# Allegro board RK3588_Template_LP4XD200P232SD8_41R0X41R0_2133MHz_H1R6_V10_20211229.brd (continued)
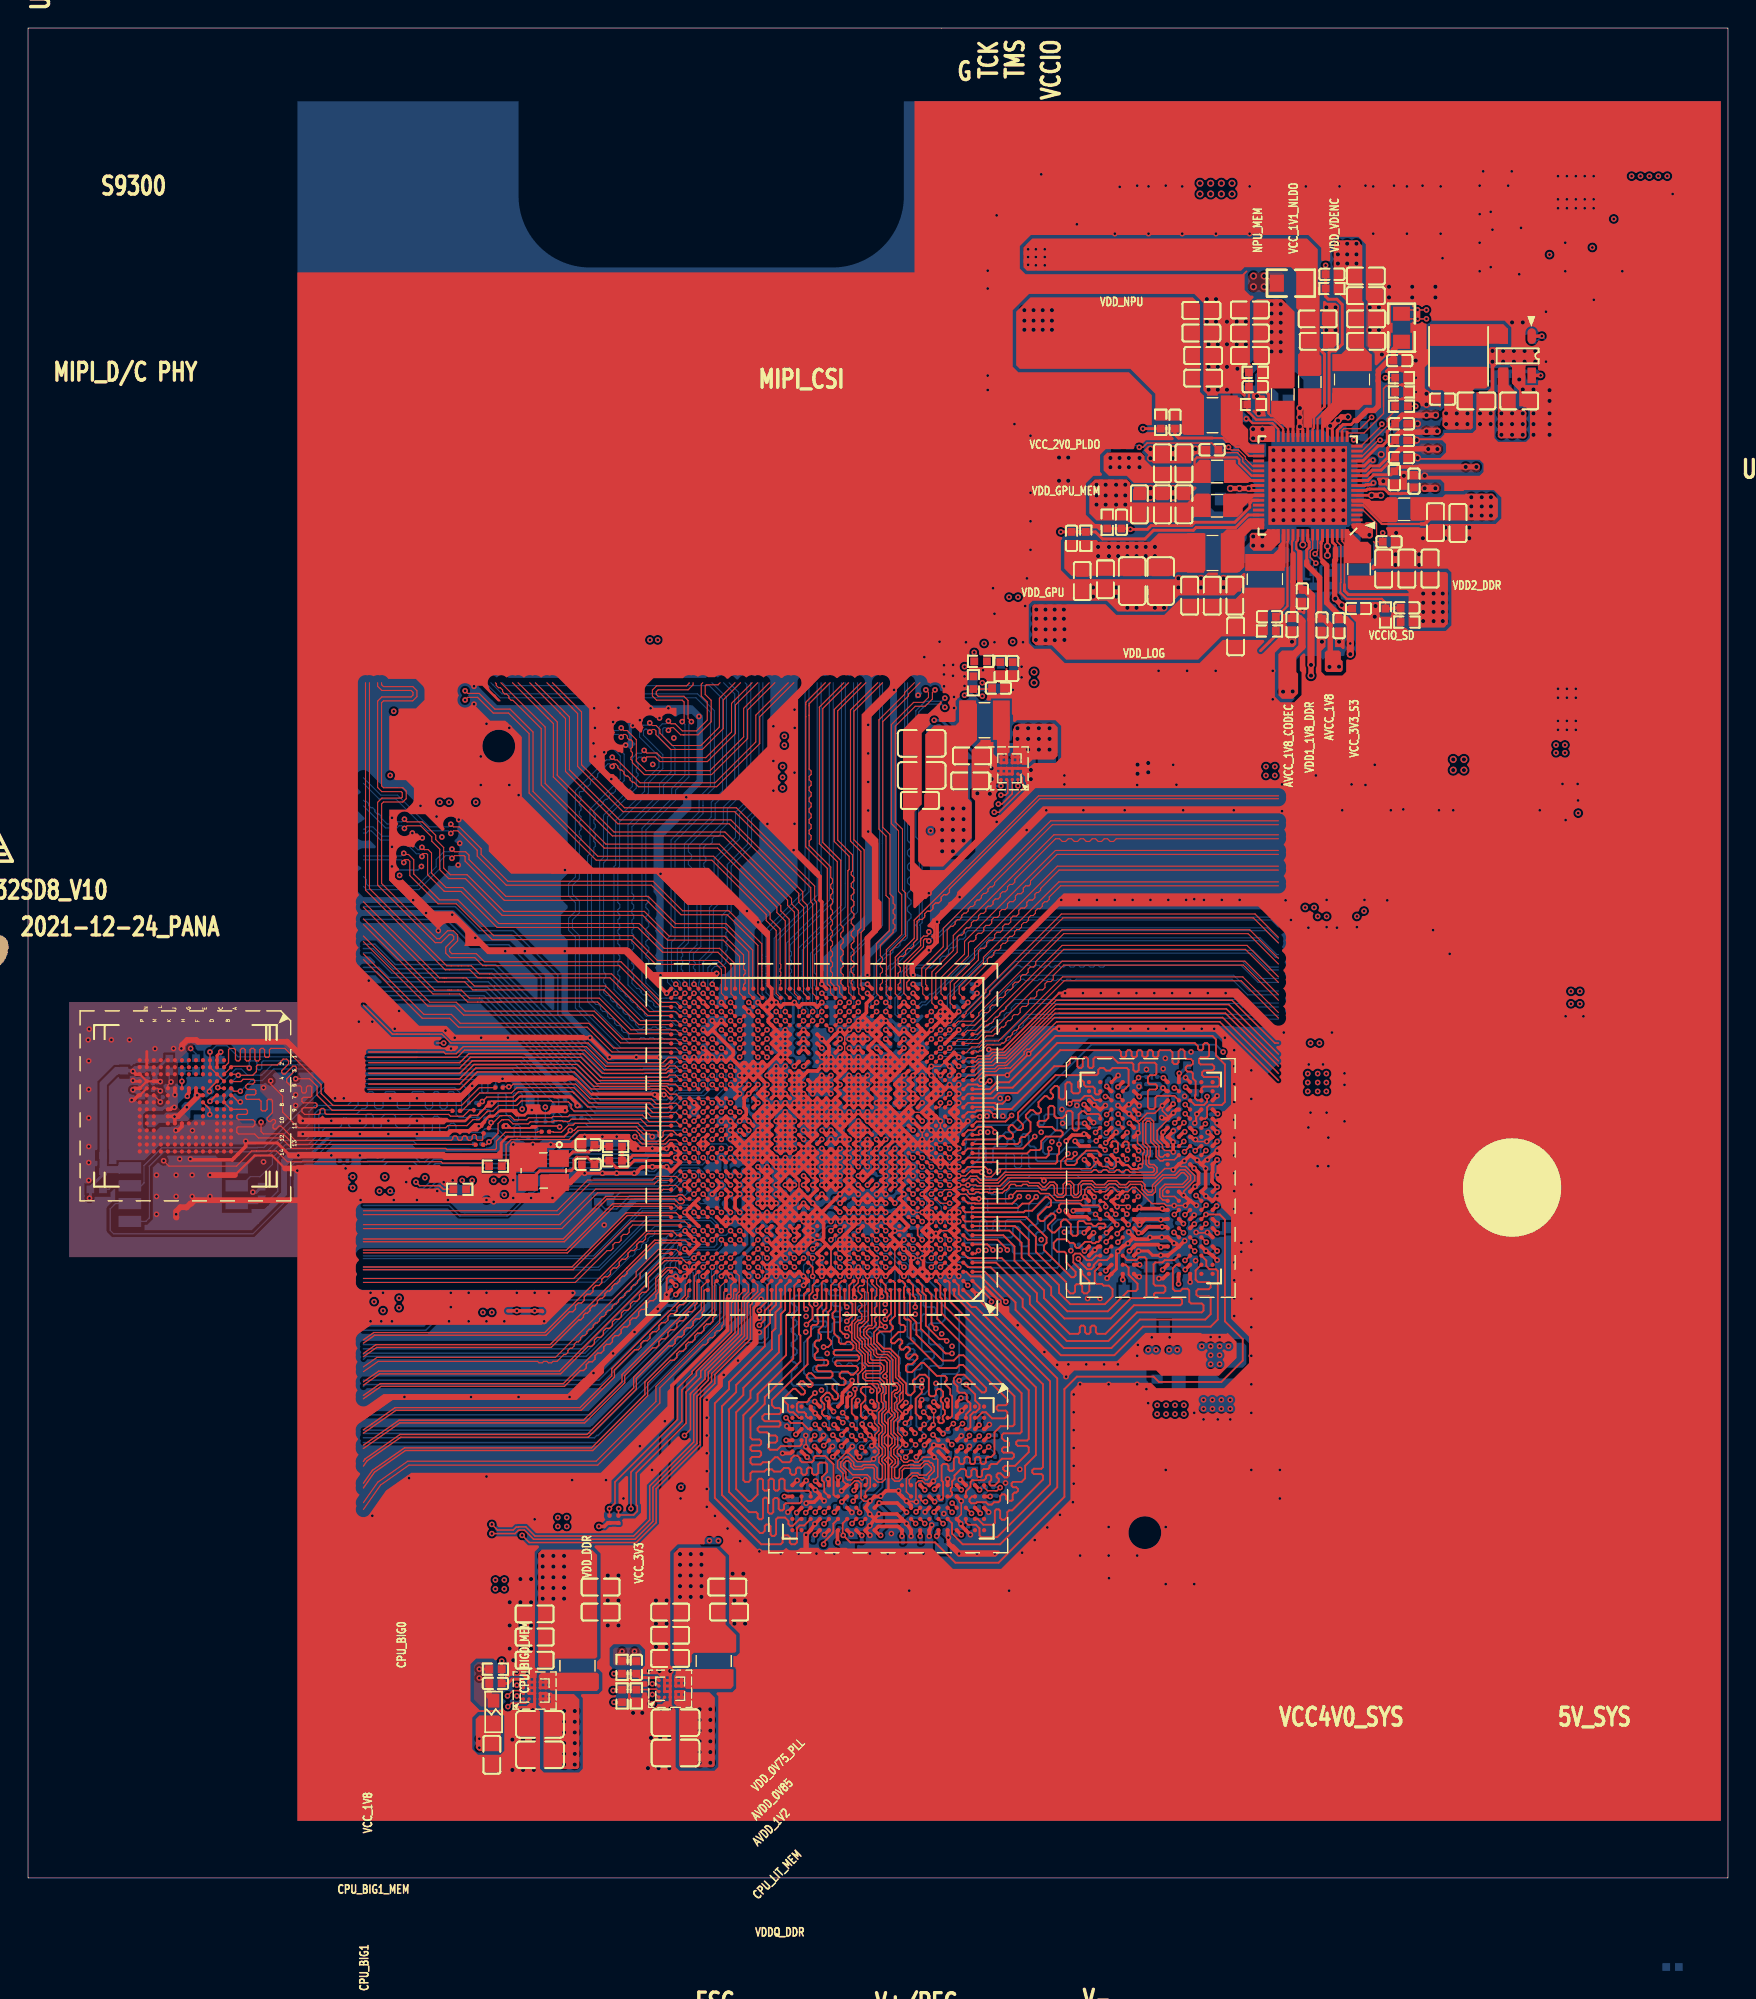
[diagram p0: board, top side]
## Routing (per net, layer and track width the routed paths; a pad name or vN(x,y) marks a point on that pad's centre or on a via; arc(x,y) is an arc through that point) (continued)
I2C1_SDA_M2: length 4
  TOP w0.104: v1(68.8,75.87) 69.14,75.87 70.85,77.59 70.85,77.9 70.78,77.97 70.78,78.32 70.51,78.59 U2303.B1
I2C1_SDA_M2_TP: length 29.3
  TOP w0.089: U1000.V28 v1(49.37,52.58)
  L6-S2 w0.089: 44.99,51.36 45.6,51.36 46.18,50.78 47.37,50.78 47.76,51.16 47.76,51.41 47.97,51.62 48.59,51.62 48.84,51.62 49.02,51.8 49.02,51.82 49.04,51.83 49.04,52.09 49.37,52.41 v1(49.37,52.58)
  L6-S2 w0.104: 44.99,51.36 44.15,51.36 44.15,51.36 43.09,51.36 42.86,51.58 38.21,51.58 37.75,51.12 30.4,51.12 30.33,51.05 30.32,51.05 28.87,49.6 28.87,49.59 28.51,49.24 28.51,49.24 28.19,48.92 26.57,48.92 25.96,49.53 25.02,49.53 23.88,50.67
I2C2_SCL_M0: length 29.6
  TOP w0.089: v1(50.02,51.93) U1000.T28
  BOTTOM w0.089: 42.93,50.93 44.07,50.93 44.2,51.05 44.96,51.05 45.05,51.14 45.76,51.14 45.95,50.95 47.55,50.95 47.74,51.14 47.74,52.06 47.93,52.25 49.69,52.25 v1(50.02,51.93)
  BOTTOM w0.104: 23.88,49.33 23.95,49.4 26.41,49.4 26.74,49.08 26.74,49.08 26.74,49.08 28.13,49.08 28.83,49.78 28.83,50.05 29.02,50.24 29.03,50.24 29.33,50.54 38.09,50.54 38.48,50.93 42.93,50.93 ; v1(23.11,49.15) 22.99,49.28 R1114.2
I2C2_SDA_M0: length 25.6
  TOP w0.089: U1000.T31 v1(47.41,51.93)
  BOTTOM w0.089: 44.22,51.36 44.88,51.36 45.13,51.6 47.09,51.6 v1(47.41,51.93)
  BOTTOM w0.104: 23.88,49.91 24,49.91 24.5,50.41 26.62,50.41 26.97,50.06 27.82,50.06 27.87,50.1 28.13,50.36 28.51,50.36 28.99,50.85 37.89,50.85 38.28,51.23 44.1,51.23 44.22,51.36 ; v1(23.11,49.91) R1113.2
I2C3_SCL_M0_MIPI: length 30.7
  TOP w0.089: U1000.G27 v1(50.02,46.08)
  BOTTOM w0.089: 44.99,43.12 44.99,43.14 45.29,43.44 45.29,43.59 46.44,44.74 46.44,44.91 46.63,45.1 46.9,45.1 47.09,44.91 47.2,44.91 47.2,44.91 48.85,44.91 49.04,45.1 49.04,45.56 49.23,45.75 49.69,45.75 v1(50.02,46.08)
  BOTTOM w0.104: 23.88,37.67 39.52,37.67 44.86,43.01 44.87,43.01 44.88,43.01 44.88,43.01 44.99,43.12
I2C3_SDA_M0_MIPI: length 28.6
  TOP w0.089: U1000.G29 v1(48.72,45.43)
  BOTTOM w0.089: 44.99,43.56 46.25,44.82 46.25,44.99 46.55,45.29 46.98,45.29 47.16,45.11 47.27,45.11 47.28,45.1 48.39,45.1 v1(48.71,45.43)
  BOTTOM w0.104: 44.99,43.56 44.74,43.31 44.73,43.31 39.39,37.97 23.88,37.97
I2C4_SCL_M3_MIPI: length 37.9
  TOP w0.089: 50.08,39.9 50.08,40.93 50.15,41.01 50.15,41.18 50.24,41.27 50.24,41.75 U1000.A27
  TOP w0.104: R1903.2 41.4,25.78 v1(41.4,26.29) 41.79,26.68 41.79,28.19 46.24,32.64 46.24,34.79 46.24,34.86 47.28,35.9 47.28,36.05 50.08,38.85 50.08,39.9
  L6-S2 w0.104: 23.88,27.23 32,27.23 32.67,26.57 35.31,26.57 35.52,26.78 40.91,26.78 v1(41.4,26.29)
I2C4_SDA_M3_MIPI: length 39.8
  TOP w0.089: 50.57,40.91 50.57,41.06 50.62,41.11 50.62,41.44 50.99,41.81 U1000.A26
  TOP w0.104: 50.57,40.91 50.57,38.76 47.89,36.09 47.89,35.65 46.85,34.61 46.85,34.53 46.85,32.38 43.31,28.83 43.31,26.55 43.38,26.48 43.38,26.1 43.11,25.83 42.09,25.83 R1904.2 42.04,26.28 v1(42.05,26.29)
  L6-S2 w0.104: v1(42.05,26.29) 42.04,26.29 41.25,27.08 35.39,27.08 35.18,26.87 32.8,26.87 32.13,27.54 23.88,27.54
I2C5_SCL_M0_MIPI: length 26
  TOP w0.089: U1000.AJ24 v1(52.61,60.38)
  L3-POWER1 w0.089: v1(52.62,60.38) 52.47,60.52 52.47,62.59 51.94,63.12 51.94,63.86
  L3-POWER1 w0.104: 51.94,63.86 51.94,67.37 50.67,68.63 50.67,85.09
I2C5_SDA_M0_MIPI: length 26.8
  TOP w0.089: U1000.AH24 v1(52.62,59.73)
  L3-POWER1 w0.089: 51.63,63.86 51.63,63.1 52.27,62.46 52.27,62.2 52.27,61.55 52.27,60.9 52.27,60.25 52.27,60.07 v1(52.62,59.73)
  L3-POWER1 w0.104: 51.63,63.86 51.63,67.24 50.29,68.58 50.29,85.09
I2C6_SCL_M0: length 25.2
  TOP w0.089: U1000.W31 v1(47.41,53.23)
  BOTTOM w0.089: v1(47.41,53.23) 47.09,52.9 45.28,52.9
  BOTTOM w0.104: 45.28,52.9 44.7,52.32 43.18,52.32 42.71,51.85 37.75,51.85 37.37,51.47 31.04,51.47 31.04,51.46 28.74,51.46 28.26,50.98 27.88,50.98 27.57,51.29 25.46,51.29 25.2,51.02 24.19,51.02 24.14,50.98 23.88,50.98
I2C6_SDA_M0: length 25.1
  TOP w0.089: U1000.V31 v1(47.41,52.58)
  BOTTOM w0.089: 44.96,51.79 44.96,51.88 45.33,52.25 47.09,52.25 v1(47.41,52.58)
  BOTTOM w0.104: 23.88,50.67 24.27,50.67 24.31,50.72 25.33,50.72 25.59,50.98 27.44,50.98 27.75,50.67 28.38,50.67 28.87,51.16 37.69,51.16 38.08,51.54 43.92,51.54 43.98,51.6 44.76,51.6 44.96,51.79
I2C7_SCL_M0_CODEC: length 31
  TOP w0.089: U1000.F26 v1(50.67,45.43)
  L6-S2 w0.089: 44.99,42.24 45.03,42.24 45.96,43.17 47.54,43.17 47.76,43.38 47.76,43.61 47.97,43.82 48.9,43.82 49.06,43.98 49.06,44.26 49.24,44.44 49.52,44.44 49.72,44.64 49.88,44.64 v1(50.67,45.43)
  L6-S2 w0.104: 23.88,37.16 39.66,37.16 44.74,42.24 44.99,42.24
I2C7_SDA_M0_CODEC: length 30.2
  TOP w0.089: U1000.F27 v1(50.02,45.43)
  L6-S2 w0.089: 44.99,42.58 46.2,43.79 47.51,43.79 47.76,44.03 47.76,44.26 47.94,44.44 48.97,44.44 49.16,44.63 49.44,44.63 49.64,44.83 49.66,44.83 50.02,45.19 v1(50.02,45.43)
  L6-S2 w0.104: 44.99,42.58 44.96,42.55 44.61,42.55 39.53,37.47 23.88,37.47
I2S0_LRCK_TX: length 30.7
  TOP w0.089: U1000.D30 v1(48.06,43.48)
  BOTTOM w0.089: v1(48.06,43.48) 48.06,43.29 47.74,42.96 47.74,42.69 47.75,42.68 47.75,42.67 48.06,42.36 48.06,41.04
  BOTTOM w0.104: 48.06,41.04 48.06,41.02 40.01,32.97 23.88,32.97
I2S0_MCLK: length 28.1
  TOP w0.089: U1000.F30 v1(48.06,45.43)
  BOTTOM w0.089: v1(48.06,45.43) 47.74,45.75 46.92,45.75 46.91,45.74 46.51,45.74 46.49,45.73 46.21,45.73 44.99,44.5
  BOTTOM w0.104: 23.88,38.99 28.32,38.99 28.83,39.5 28.83,40.39 29.59,41.15 41.63,41.15 44.99,44.5
I2S0_SCLK_TX: length 30.3
  TOP w0.089: U1000.E31 v1(47.41,44.13)
  BOTTOM w0.089: v1(47.41,44.13) 47.23,44.13 47.1,44.01 46.67,44.01 46.36,43.69 46.36,43.31 46.51,43.15 46.94,43.15 47.12,42.98 47.12,41.38 46.78,41.04
  BOTTOM w0.104: 23.88,35.42 23.89,35.43 40.64,35.43 45.59,40.39 46.13,40.39 46.78,41.04
I2S0_SDI0: length 33.1
  TOP w0.089: U1000.D28 v1(49.37,43.48)
  BOTTOM w0.089: 49.31,41.04 49.31,42.13 49.04,42.4 49.04,42.96 49.37,43.29 v1(49.37,43.48)
  BOTTOM w0.104: 23.88,31.34 40.33,31.34 40.49,31.5 40.59,31.5 49.31,40.22 49.31,40.32 49.31,41.04
I2S0_SDO0: length 30.9
  TOP w0.089: U1000.E29 v1(48.71,44.13)
  BOTTOM w0.089: 47.21,41.04 47.36,41.18 47.36,43.08 47.09,43.34 47.09,43.66 47.23,43.8 48.39,43.8 v1(48.71,44.13)
  BOTTOM w0.104: 47.21,41.04 46.18,40.01 45.65,40.01 40.77,35.13 24.02,35.13 23.88,34.98
I2S2_LRCK_TX_M1_BT: length 30.9
  TOP w0.089: U1000.AE29 v1(48.72,57.78)
  BOTTOM w0.089: 45.02,55.08 45.54,55.08 46.34,55.88 47.93,55.88 48.39,56.34 48.39,56.61 48.58,56.8 48.85,56.8 49.04,56.99 U1000.AE29 v1(48.72,57.78)
  BOTTOM w0.104: 45.02,55.08 40.61,55.08 32.57,63.12 24.98,63.12 24.85,62.99 23.88,62.99
I2S2_SCLK_TX_M1_BT: length 29.6
  TOP w0.089: U1000.AD29 49.04,56.8 v1(48.72,57.13)
  BOTTOM w0.089: 44.99,55.39 45.47,55.39 46.15,56.07 47.47,56.07 47.74,56.34 47.74,56.61 47.93,56.8 48.21,56.8 48.53,57.13 v1(48.72,57.13)
  BOTTOM w0.104: 23.88,63.3 24.72,63.3 24.85,63.43 32.7,63.43 40.74,55.39 44.99,55.39
I2S2_SDI_M1_BT: length 32
  TOP w0.089: U1000.AE28 v1(49.37,57.78)
  BOTTOM w0.089: v1(49.37,57.78) 49.69,57.45 49.69,56.34 48.85,55.5 46.63,55.5 45.58,54.45 44.91,54.45
  BOTTOM w0.104: 23.88,62.36 23.9,62.38 25.1,62.38 25.23,62.51 32.32,62.51 40.37,54.45 44.91,54.45
I2S2_SDO_M1_BT: length 30
  TOP w0.089: U1000.AC28 v1(49.37,56.48)
  BOTTOM w0.089: 44.91,54.78 45.5,54.78 46.42,55.69 48.12,55.69 48.58,56.15 49.04,56.15 v1(49.37,56.48)
  BOTTOM w0.104: 23.88,62.68 24.97,62.68 25.1,62.81 32.45,62.81 40.48,54.78 44.91,54.78
LCD_BL_PWM2: length 35
  TOP w0.089: v1(48.06,51.28) 48.39,50.95 U1000.R30
  L3-POWER1 w0.089: 44.99,54.71 46.46,53.24 46.46,53.1 46.64,52.92 46.89,52.92 46.98,52.83 46.99,52.83 47.11,52.72 47.11,52.45 47.29,52.27 47.51,52.27 47.75,52.03 47.75,51.59 v1(48.06,51.28)
  L3-POWER1 w0.104: v1(26.45,71.37) 29.2,71.37 34.6,65.97 34.6,65.73 35.32,65.01 36.18,65.01 41.9,59.29 41.9,57.67 44.82,54.75 44.95,54.75 44.99,54.71
  L6-S2 w0.104: v1(26.45,71.37) 25.53,71.37 24.38,72.52 23.88,72.52
LCD_PWREN_H: length 28.1
  TOP w0.089: U1000.E30 v1(48.07,44.13)
  BOTTOM w0.089: v1(48.06,44.13) 47.74,44.45 47.28,44.45 47.02,44.2 46.48,44.2 46.1,43.82 46.1,43.54 45.38,42.82 45.38,42.81 45.22,42.65 45.22,42.6 44.99,42.37
  BOTTOM w0.104: 44.99,42.37 39.88,37.26 39.74,37.13 39.55,37.13 39.55,37.13 24.08,37.13 23.88,36.92
LCD_RESET_L: length 37.7
  TOP w0.089: v1(48.06,55.18) 47.74,55.5 U1000.AB31
  L3-POWER1 w0.089: v1(48.06,55.18) 47.85,55.18 47.48,55.55 46.3,55.55 44.99,56.86
  L3-POWER1 w0.104: v1(31.88,76.58) 31.88,70.93 43.69,59.12 43.69,58.17 44.99,56.86
  L6-S2 w0.104: v1(31.88,76.58) 30.73,76.58 30.04,77.28 23.88,77.28
MAC0_TXCLK: length 23.3
  TOP w0.089: 27.69,58.42 30.57,58.42 31.07,58.93 39.62,58.93 41.02,57.53 45.39,57.53 45.67,57.81 46.09,57.81 U1000.AE33
  TOP w0.104: 27.69,58.42 24.2,58.42
MAC0_TXD0: length 23.3
  TOP w0.089: 38.29,58.42 39.37,58.42 40.8,56.99 45.5,56.99 45.67,57.16 46.09,57.16 U1000.AD33
  TOP w0.104: 38.29,58.42 31.5,58.42 30.73,57.66 24.26,57.66
MAC0_TXD1: length 22.5
  TOP w0.089: U1000.AD34 45.76,56.77 40.64,56.77 39.24,58.17 37.77,58.17
  TOP w0.104: 24.26,57.28 30.73,57.28 31.62,58.17 37.77,58.17
MAC0_TXD2: length 23.3
  TOP w0.089: U1000.AC33 46.09,56.51 45.59,56.51 45.55,56.55 40.48,56.55 39.12,57.91 37.51,57.91
  TOP w0.104: 37.51,57.91 31.75,57.91 30.73,56.9 24.26,56.9
MAC0_TXD3: length 22.6
  TOP w0.089: U1000.AC34 45.67,56.15 45.47,56.35 40.29,56.35 38.99,57.66 37.62,57.66
  TOP w0.104: 37.62,57.66 31.88,57.66 30.73,56.52 24.26,56.52
MAC0_TXEN: length 22.5
  TOP w0.089: 38.61,58.67 38.62,58.67 39.33,58.67 39.33,58.67 39.5,58.67 40.89,57.28 45.41,57.28 45.58,57.45 U1000.AE34
  TOP w0.104: 24.26,58.04 30.73,58.04 31.37,58.67 38.61,58.67
MIPI_CAM1_CLKOUT: length 33
  TOP w0.089: U1000.E26 50.99,44.45 v1(51.32,44.13)
  L6-S2 w0.089: v1(51.32,44.13) 51.13,44.13 50.62,43.62 50.62,42.7 48.97,41.04
  L6-S2 w0.104: 23.88,33.02 40.95,33.02 48.97,41.04
MIPI_CAM2_CLKOUT: length 30.5
  TOP w0.089: U1000.E27 50.34,44.45 v1(50.02,44.13)
  L6-S2 w0.089: v1(50.02,44.13) 50.02,44.05 49.67,43.71 49.67,43.35 49.49,43.17 49.24,43.17 48.47,42.4 48.39,42.4 47.02,41.04
  L6-S2 w0.104: 47.02,41.04 46.38,40.4 45.6,40.4 40.64,35.43 23.88,35.43
MIPI_CAM3_CLKOUT: length 34.2
  TOP w0.089: U1000.F24 v1(52.61,44.78)
  L6-S2 w0.089: 47.93,41.04 48.29,41.4 48.39,41.4 49.49,42.5 49.5,42.5 49.69,42.69 49.69,42.96 49.69,42.96 49.88,43.15 49.88,43.15 49.9,43.17 50.14,43.17 50.15,43.18 50.16,43.18 50.42,43.43 50.42,43.94 50.93,44.45 52.29,44.45 v1(52.62,44.78)
  L6-S2 w0.104: 23.88,33.85 34.76,33.85 35.43,33.85 36.25,34.67 41.14,34.67 45.97,39.5 46.39,39.5 47.93,41.04
MIPI_CAM4_CLKOUT: length 32.8
  TOP w0.089: v1(51.97,45.43) U1000.F25
  L6-S2 w0.089: v1(51.97,45.43) 51.37,44.83 50.34,44.83 49.96,44.45 49.88,44.45 49.67,44.25 49.67,44 49.46,43.79 49.24,43.79 49.06,43.61 49.06,43.38 48.84,43.17 47.87,43.17 47.44,42.74 47.44,42.42 46.17,41.15 45.88,41.15 45.77,41.04
  L6-S2 w0.104: 23.88,36.32 40,36.32 44.71,41.02 45.75,41.02 45.77,41.04
MIPI_CSI0_PDN0_H: length 33.5
  TOP w0.089: U1000.D27 50.34,43.8 v1(50.02,43.48)
  BOTTOM w0.089: 49.62,41.04 49.62,41.17 49.59,41.2 49.59,42.47 49.69,42.58 49.69,43.15 v1(50.02,43.48)
  BOTTOM w0.104: 23.88,30.99 40.51,30.99 49.62,40.09 49.62,40.19 49.62,41.04
MIPI_CSI0_PDN1_H: length 34.4
  TOP w0.089: v1(51.97,42.83) 51.64,43.15 U1000.C25
  L6-S2 w0.089: v1(51.97,42.83) 51.97,42.58 51.28,41.89 51.28,41.24 51.07,41.04
  L6-S2 w0.104: 51.07,41.04 48.81,38.78 48.77,38.78 48.04,38.05 40.01,30.02 23.88,30.02
MIPI_CSI0_RX_CLK0N: length 25.2
  TOP w0.076: U1000.AJ34 45.74,60.1 42.81,60.1 40.55,62.36 33.68,62.36 33.68,62.36 33.56,62.36 32.25,62.36 32.02,62.36 31.3,62.36 30.73,62.93 30.01,62.93 28.83,62.93 23.88,67.88
MIPI_CSI0_RX_CLK0P: length 26
  TOP w0.076: U1000.AJ33 46.12,60.38 42.93,60.38 40.67,62.64 33.56,62.64 32.13,62.64 31.42,62.64 30.85,63.21 30.61,63.21 30.01,63.21 29.9,63.21 28.94,63.21 23.88,68.28
MIPI_CSI0_RX_CLK1N: length 48.5
  TOP w0.076: U1000.AM34 45.74,62.05 45,62.05 42.1,64.95 32.61,64.95 32.38,64.95 31.8,65.52 30.05,65.52 29.74,65.84 29.74,66.26 30.31,66.83 30.31,67.02 30.17,67.15 29.98,67.15 29.41,66.58 28.99,66.58 24.89,70.68 24.89,76.58 25.19,76.88 26.57,76.88 26.64,76.95 26.64,77.26 26.57,77.33 25.19,77.33 24.89,77.63 24.89,83.78 25.19,84.08 27.27,84.08 27.41,84.21 27.41,84.4 27.27,84.54 25.19,84.54 24.89,84.83 24.89,85.09
MIPI_CSI0_RX_CLK1P: length 48.8
  TOP w0.076: U1000.AM33 46.12,62.33 45.11,62.33 42.21,65.23 32.49,65.23 31.92,65.8 30.17,65.8 30.02,65.95 30.02,66.14 30.59,66.71 30.59,67.13 30.29,67.43 29.87,67.43 29.3,66.86 29.11,66.86 25.17,70.8 25.17,76.46 25.3,76.6 26.68,76.6 26.92,76.84 26.92,77.37 26.68,77.61 25.3,77.61 25.17,77.75 25.17,83.67 25.3,83.8 27.39,83.8 27.69,84.1 27.69,84.52 27.39,84.82 25.3,84.82 25.17,84.95 25.17,85.09
MIPI_CSI0_RX_D0N: length 24.7
  TOP w0.076: 23.88,65.39 28.07,61.2 30.01,61.2 30.65,60.57 39.81,60.57 41.58,58.8 45.74,58.8 U1000.AG34
MIPI_CSI0_RX_D0P: length 25.5
  TOP w0.076: 23.88,65.79 28.18,61.48 30.13,61.48 30.77,60.85 39.92,60.85 41.69,59.08 46.12,59.08 U1000.AG33
MIPI_CSI0_RX_D1N: length 24.9
  TOP w0.076: U1000.AH34 45.74,59.45 42.18,59.45 40.2,61.43 31.01,61.43 30.37,62.06 28.47,62.06 23.88,66.66
MIPI_CSI0_RX_D1P: length 25.7
  TOP w0.076: 23.88,67.06 28.59,62.34 30.49,62.34 31.12,61.71 40.32,61.71 42.3,59.73 46.12,59.73 U1000.AH33
MIPI_CSI0_RX_D2N: length 25.4
  TOP w0.076: U1000.AK34 45.74,60.75 43.48,60.75 41.01,63.22 33.32,63.22 31.89,63.22 31.66,63.22 31.09,63.79 29.66,63.79 29.19,63.79 23.88,69.1
MIPI_CSI0_RX_D2P: length 26.2
  TOP w0.076: 23.88,69.5 29.3,64.07 29.54,64.07 29.66,64.07 30.97,64.07 31.2,64.07 31.78,63.5 33.21,63.5 41.13,63.5 43.6,61.03 46.16,61.03 46.44,60.75 U1000.AK33
MIPI_CSI0_RX_D3N: length 40.2
  TOP w0.076: 24.03,85.09 24.03,70.33 29.69,64.66 29.73,64.66 30.01,64.66 31.45,64.66 32.02,64.08 32.25,64.08 32.85,64.08 32.96,64.08 41.43,64.08 44.12,61.4 45.74,61.4 U1000.AL34
MIPI_CSI0_RX_D3P: length 40.5
  TOP w0.076: 24.31,85.09 24.31,70.44 29.81,64.94 30.13,64.94 30.61,64.94 30.61,64.94 30.85,64.94 31.56,64.94 32.13,64.36 32.85,64.36 41.55,64.36 44.23,61.68 46.12,61.68 U1000.AL33
MIPI_CSI1_PDN0_H: length 35.9
  TOP w0.089: U1000.E24 v1(52.62,44.13)
  L6-S2 w0.089: 50.69,41.04 51.05,41.4 51.05,42.04 51.64,42.62 51.64,43.64 51.8,43.8 51.93,43.8 51.93,43.8 52.29,43.8 v1(52.62,44.13)
  L6-S2 w0.104: 23.88,30.25 39.91,30.25 50.2,40.53 50.2,40.54 50.69,41.04
MIPI_CSI1_PDN1_H: length 40.5
  TOP w0.089: 50.34,40.87 50.34,41.1 50.43,41.19 50.43,41.52 50.64,41.73 50.64,42.86 U1000.C27
  TOP w0.104: 50.34,40.87 50.34,38.82 47.59,36.07 47.59,35.78 46.55,34.73 46.55,34.66 46.55,34.66 46.55,32.51 42.93,28.89 v1(42.93,26.29)
  L6-S2 w0.104: 23.88,27.85 32.26,27.85 32.92,27.18 35.05,27.18 35.26,27.39 42.55,27.39 42.77,27.17 42.77,27.1 42.93,26.95 v1(42.93,26.29)
MIPI_CSI1_RX_CLK0N: length 38.5
  TOP w0.076: v1(46.77,60.38) U1000.AJ32 ; v1(43.87,79.62) 44.05,79.81 44.65,79.81 44.98,79.48 48.37,79.48 50.37,81.47 50.37,83.51 51.95,85.09
  BOTTOM w0.076: v1(43.87,79.62) 43.81,79.68 43.79,79.68 43.68,79.79 43.48,79.79 43.31,79.62 43.31,79.44 43.43,79.31 43.43,79.08 43.31,78.95 43.31,78.74 43.43,78.61 43.43,78.49 43.31,78.36 43.31,77.6 41.25,75.54 41.25,72.54 40.98,72.27 40.98,64.51 41.13,64.36 41.13,64.13 40.98,63.98 40.98,63.75 41.13,63.59 41.13,63.37 40.98,63.21 40.98,63.04 41.19,62.82 41.25,62.82 41.31,62.82 41.48,62.66 41.48,62.6 41.48,62.54 41.64,62.38 41.7,62.38 41.76,62.38 41.92,62.21 41.92,62.15 41.92,62.09 42.09,61.93 42.15,61.93 42.15,61.93 42.21,61.93 42.37,61.77 42.37,61.7 42.37,61.7 42.37,61.64 42.53,61.48 42.6,61.48 42.6,61.48 42.66,61.48 42.82,61.32 42.82,61.26 42.82,61.25 42.82,61.19 42.98,61.03 43.04,61.03 43.04,61.03 43.11,61.03 43.27,60.87 43.27,60.81 43.27,60.81 43.27,60.74 43.53,60.48 43.71,60.48 43.81,60.58 44.04,60.58 44.14,60.48 44.37,60.48 44.47,60.58 44.7,60.58 44.8,60.48 45.03,60.48 45.14,60.58 45.36,60.58 45.47,60.48 45.71,60.48 45.85,60.34 46.73,60.34 v1(46.77,60.38)
MIPI_CSI1_RX_CLK0P: length 38.6
  TOP w0.076: 51.55,85.09 50.09,83.62 50.09,81.59 48.26,79.76 45.1,79.76 44.77,80.09 44.05,80.09 v1(43.87,80.27) ; U1000.AJ31 v1(47.42,60.38)
  BOTTOM w0.076: v1(43.87,80.27) 43.66,80.07 43.37,80.07 43.03,79.73 43.03,77.71 40.97,75.66 40.97,72.66 40.7,72.38 40.7,62.92 43.42,60.2 45.59,60.2 45.73,60.06 47.1,60.06 v1(47.42,60.38)
MIPI_CSI1_RX_CLK1N: length 32.2
  TOP w0.076: 47.35,85.09 47.35,84.94 46.99,84.59 44.86,84.59 44.73,84.45 44.73,84.26 44.86,84.13 46.69,84.13 46.99,83.83 46.99,82.56 v1(47.23,82.32) ; U1000.AM32 v1(46.77,62.33)
  BOTTOM w0.076: v1(46.77,62.33) 46.7,62.33 46.39,62.64 46.16,62.64 45.43,62.64 45.06,62.64 43.98,63.71 43.98,64.03 44.09,64.14 44.2,64.24 44.2,64.47 44.09,64.58 43.98,64.68 43.98,64.91 44.09,65.02 44.2,65.12 44.2,65.35 44.09,65.46 43.98,65.56 43.98,65.79 44.09,65.9 44.2,66 44.2,66.23 44.09,66.34 43.98,66.44 43.98,66.67 44.09,66.77 44.2,66.88 44.2,67.11 44.09,67.21 43.98,67.32 43.98,67.55 44.09,67.65 44.2,67.76 44.2,67.99 44.09,68.09 43.98,68.2 43.98,68.43 44.09,68.53 44.2,68.64 44.2,68.87 44.09,68.97 43.98,69.08 43.98,69.31 44.09,69.41 44.2,69.52 44.2,69.75 44.09,69.85 43.98,69.96 43.98,74.6 46.1,76.72 46.1,77.44 47.05,78.39 47.05,82.14 v1(47.23,82.32)
MIPI_CSI1_RX_CLK1P: length 32.2
  TOP w0.076: 47.07,85.09 47.07,85.06 46.88,84.87 44.75,84.87 44.45,84.57 44.45,84.15 44.75,83.85 46.58,83.85 46.71,83.72 46.71,82.46 v1(46.57,82.32) ; U1000.AM31 v1(47.42,62.33)
  BOTTOM w0.076: v1(47.42,62.33) 47.08,62 46.63,62 46.27,62.36 45.55,62.36 45.54,62.36 44.94,62.36 43.71,63.6 43.71,74.72 45.82,76.83 45.82,77.55 46.77,78.5 46.77,82.13 v1(46.57,82.32)
MIPI_CSI1_RX_D0N: length 47.6
  TOP w0.076: U1000.AG32 47.09,58.75 v1(46.77,59.08) ; v1(41.6,79.13) 41.6,79.24 41.67,79.32 41.83,79.32 41.99,79.15 41.99,79.04 42.15,78.88 42.27,78.88 42.43,78.72 42.43,78.6 42.59,78.44 42.7,78.44 42.86,78.28 42.86,78.17 43.02,78.01 43.14,78.01 43.46,77.69 49.02,77.69 52.09,80.75 52.09,82.66 54.52,85.09
  BOTTOM w0.076: v1(46.76,59.08) 46.65,59.08 46.65,59.08 42.21,59.08 39.25,62.04 39.25,67.1 38.76,67.59 38.76,68.21 39.25,68.7 39.25,69.55 38.76,70.04 38.76,70.66 39.25,71.15 39.25,73.81 39.37,73.93 39.37,74.16 39.25,74.28 39.25,74.51 39.37,74.63 39.37,74.86 39.25,74.98 39.25,75.21 39.37,75.33 39.37,75.56 39.25,75.68 39.25,75.91 39.37,76.03 39.37,76.26 39.25,76.38 39.25,76.61 39.37,76.73 39.37,76.96 39.25,77.08 39.25,77.28 39.31,77.34 39.5,77.34 39.59,77.44 39.59,77.63 39.69,77.72 39.78,77.72 39.88,77.72 40.04,77.88 40.04,77.98 40.04,78.07 40.2,78.24 40.29,78.24 40.39,78.24 40.55,78.4 40.55,78.49 40.55,78.59 40.71,78.75 40.81,78.75 40.9,78.75 41.06,78.91 41.06,79 41.06,79.1 41.28,79.32 41.41,79.32 v1(41.6,79.13)
MIPI_CSI1_RX_D0P: length 47.6
  TOP w0.076: U1000.AG31 47.74,58.75 v1(47.42,59.08) ; v1(41.6,79.78) 41.78,79.6 41.94,79.6 43.57,77.97 48.91,77.97 51.81,80.87 51.81,82.78 54.13,85.09
  BOTTOM w0.076: v1(41.6,79.78) 41.41,79.6 41.17,79.6 38.97,77.4 38.97,71.26 38.48,70.77 38.48,69.92 38.97,69.43 38.97,68.81 38.48,68.32 38.48,67.47 38.97,66.98 38.97,61.93 42.1,58.8 46.53,58.8 46.53,58.8 46.59,58.8 46.63,58.76 47.1,58.76 v1(47.42,59.08)
MIPI_CSI1_RX_D1N: length 47.9
  TOP w0.076: U1000.AH32 47.09,59.4 v1(46.77,59.73) ; 53.17,85.09 51.23,83.15 51.23,81.11 48.67,78.55 43.88,78.55 43.03,79.4 43.03,79.53 42.93,79.63 42.93,79.78 43.03,79.88 43.03,80.12 42.93,80.22 42.93,80.4 43.03,80.5 43.03,80.92 42.93,81.03 42.8,81.03 42.67,81.15 42.67,81.28 42.55,81.41 42.42,81.41 v1(42.23,81.22)
  BOTTOM w0.076: v1(46.77,59.73) 46.73,59.69 45.48,59.69 45.45,59.72 45.28,59.72 45.18,59.82 44.95,59.82 44.85,59.72 44.62,59.72 44.52,59.82 44.29,59.82 44.18,59.72 43.96,59.72 43.85,59.82 43.63,59.82 43.52,59.72 42.9,59.72 42.76,59.85 42.76,60.03 42.6,60.19 42.43,60.19 42.26,60.35 42.26,60.53 42.1,60.69 41.93,60.69 41.77,60.85 41.77,61.02 41.6,61.19 41.43,61.19 41.27,61.35 41.27,61.52 41.11,61.68 40.93,61.68 40.77,61.85 40.77,62.02 40.61,62.18 40.43,62.18 40.11,62.5 40.11,72.62 40.28,72.8 40.28,73.35 40.39,73.45 40.39,73.68 40.28,73.78 40.28,74.01 40.39,74.11 40.39,74.34 40.28,74.44 40.28,74.67 40.39,74.77 40.39,75 40.28,75.1 40.28,75.33 40.39,75.43 40.39,75.66 40.28,75.76 40.28,75.96 40.68,76.35 40.73,76.35 40.73,76.35 40.79,76.35 40.95,76.51 40.95,76.57 40.95,76.57 40.95,76.62 41.11,76.78 41.17,76.78 41.22,76.78 41.39,76.95 41.39,77 41.39,77 41.39,77.06 41.55,77.22 41.6,77.22 41.6,77.22 41.66,77.22 41.82,77.38 41.82,77.44 41.82,77.44 41.82,77.49 41.98,77.66 42.04,77.66 42.04,77.66 42.1,77.66 42.26,77.82 42.26,77.87 42.26,77.87 42.26,77.93 42.44,78.12 42.44,80 41.92,80.53 41.92,80.64 41.78,80.77 41.67,80.77 41.55,80.89 41.55,81.29 41.67,81.41 42.04,81.41 v1(42.23,81.22)
MIPI_CSI1_RX_D1P: length 47.4
  TOP w0.076: v1(47.42,59.73) 47.74,59.4 U1000.AH31 ; 52.78,85.09 50.95,83.26 50.95,81.23 48.55,78.83 43.99,78.83 43.31,79.52 43.31,81.04 42.66,81.69 42.42,81.69 v1(42.23,81.87)
  BOTTOM w0.076: v1(47.42,59.73) 47.1,59.41 45.37,59.41 45.34,59.44 42.78,59.44 39.83,62.39 39.83,72.74 40,72.91 40,76.07 42.16,78.23 42.16,79.88 41.27,80.77 41.27,81.41 41.55,81.69 42.04,81.69 v1(42.23,81.87)
MIPI_CSI1_RX_D2N: length 38.7
  TOP w0.076: 50.73,85.09 49.5,83.86 49.5,81.83 48.01,80.34 45.76,80.34 44.7,81.39 44.7,81.66 44.6,81.76 44.45,81.76 v1(44.26,81.58) ; v1(46.77,61.03) U1000.AK32
  BOTTOM w0.076: v1(46.77,61.03) 46.72,60.99 46.22,60.99 45.86,61.35 44.01,61.35 43.88,61.48 43.88,61.66 43.72,61.82 43.54,61.82 43.38,61.98 43.38,62.16 43.22,62.32 43.04,62.32 42.88,62.48 42.88,62.58 42.72,62.74 42.62,62.74 42.52,62.84 42.52,62.94 42.34,63.12 42.24,63.12 41.99,63.37 41.99,63.81 42.06,63.88 42.13,63.95 42.13,64.17 42.06,64.24 41.99,64.31 41.99,64.54 42.06,64.61 42.13,64.68 42.13,64.91 42.06,64.98 41.99,65.05 41.99,65.27 42.06,65.34 42.13,65.41 42.13,65.64 42.06,65.71 41.99,65.78 41.99,66.01 42.06,66.08 42.13,66.15 42.13,66.38 42.06,66.44 41.99,66.51 41.99,66.74 42.06,66.81 42.13,66.88 42.13,67.11 42.06,67.18 41.99,67.25 41.99,67.48 42.06,67.54 42.13,67.61 42.13,67.84 42.06,67.91 41.99,67.98 41.99,68.2 42.06,68.27 42.13,68.34 42.13,68.57 42.06,68.64 41.99,68.71 41.99,68.94 42.06,69.01 42.13,69.08 42.13,69.3 42.06,69.37 41.99,69.44 41.99,71.88 42.11,72 42.11,75.18 44.17,77.24 44.17,77.95 45.2,78.97 45.2,79.96 43.81,81.34 43.81,81.66 43.94,81.79 44.05,81.79 v1(44.26,81.58)
MIPI_CSI1_RX_D2P: length 38.6
  TOP w0.076: 50.33,85.09 49.22,83.98 49.22,81.94 47.9,80.62 45.87,80.62 44.98,81.51 44.98,81.78 44.72,82.04 44.45,82.04 v1(44.26,82.23) ; v1(47.42,61.03) U1000.AK31
  BOTTOM w0.076: v1(44.26,82.23) 44.1,82.07 43.83,82.07 43.54,81.78 43.54,81.23 44.92,79.85 44.92,79.09 43.89,78.06 43.89,77.35 41.83,75.3 41.83,72.11 41.71,71.99 41.71,63.25 43.9,61.07 45.74,61.07 46.1,60.71 47.09,60.71 v1(47.42,61.03)
MIPI_CSI1_RX_D3N: length 34.1
  TOP w0.076: v1(45.59,81.7) 45.78,81.89 45.96,81.89 46.47,81.38 46.64,81.38 47.71,81.38 48.64,82.31 48.64,83.84 48.21,84.26 48.21,84.87 48.29,84.94 49.13,84.94 49.28,85.09 ; U1000.AL32 v1(46.77,61.68)
  BOTTOM w0.076: v1(46.77,61.68) 46.42,61.68 46.08,62.01 44.67,62.01 44.54,62.14 44.54,62.2 44.54,62.2 44.54,62.26 44.38,62.42 44.32,62.42 44.26,62.42 44.09,62.59 44.09,62.65 44.09,62.65 44.09,62.71 43.93,62.87 43.87,62.87 43.81,62.87 43.64,63.04 43.64,63.1 43.64,63.1 43.64,63.16 43.48,63.32 43.42,63.32 43.36,63.32 42.99,63.69 42.99,63.92 43.12,64.05 43.12,64.28 42.99,64.41 42.99,64.64 43.12,64.76 43.12,64.99 42.99,65.12 42.99,65.35 43.12,65.47 43.12,65.7 42.99,65.83 42.99,66.06 43.12,66.19 43.12,66.41 42.99,66.54 42.99,66.77 43.12,66.9 43.12,67.12 42.99,67.25 42.99,67.48 43.12,67.61 43.12,67.84 42.99,67.96 42.99,68.19 43.12,68.32 43.12,68.55 42.99,68.67 42.99,68.9 43.12,69.03 43.12,69.26 42.99,69.39 42.99,69.61 43.12,69.74 43.12,69.97 42.99,70.1 42.99,74.83 45.24,77.08 45.24,77.79 46.06,78.62 46.06,80.43 45.19,81.3 45.19,81.8 45.28,81.89 45.41,81.89 v1(45.59,81.7)
MIPI_CSI1_RX_D3P: length 33.3
  TOP w0.076: 48.04,85.09 47.93,84.98 47.93,84.15 48.36,83.72 48.36,82.43 47.59,81.66 46.58,81.66 46.07,82.17 45.78,82.17 v1(45.59,82.36) ; U1000.AL31 v1(47.42,61.68)
  BOTTOM w0.076: v1(45.59,82.36) 45.41,82.17 45.16,82.17 44.91,81.92 44.91,81.19 45.78,80.32 45.78,78.73 44.96,77.91 44.96,77.19 42.71,74.95 42.71,63.57 44.55,61.73 45.97,61.73 46.35,61.35 47.08,61.35 v1(47.42,61.68)
MIPI_DCPHY0_PWREN0_H: length 35.9
  TOP w0.089: v1(48.07,56.48) 48.39,56.15 U1000.AC30
  L3-POWER1 w0.089: 45.03,59.36 46.46,57.94 46.46,57.65 46.67,57.44 46.89,57.44 47.11,57.23 47.11,57 47.32,56.79 47.61,56.79 47.92,56.48 v1(48.07,56.48)
  L3-POWER1 w0.104: 32.41,85.09 36.08,81.41 36.08,79.29 42,73.37 42,62.4 45.03,59.36
MIPI_DCPHY0_PWREN1_H: length 24.6
  TOP w0.089: 28.57,60.07 29.47,60.07 30.1,59.44 39.88,59.44 41.28,58.04 45.21,58.04 45.59,58.42 46.12,58.42 U1000.AF33
  TOP w0.104: 28.57,60.07 26.26,60.07 25.95,60.07 23.88,62.14
MIPI_DCPHY0_RX_PDN_H: length 42.4
  TOP w0.089: U1000.A24 52.29,41.76
  TOP w0.104: v1(35.18,24.38) 35.69,23.88 43.31,23.88 44.72,25.29 44.72,27.7 47.85,30.84 47.85,31.03 47.85,34.16 48.9,35.2 48.9,35.81 51.43,38.35 51.43,40.77 51.56,40.89 51.56,41.03 52.29,41.76
  L6-S2 w0.104: 23.88,26.92 31.88,26.92 34.42,24.38 v1(35.18,24.38)